# KiCad board chc-panel-1.0.kicad_pcb (continued)
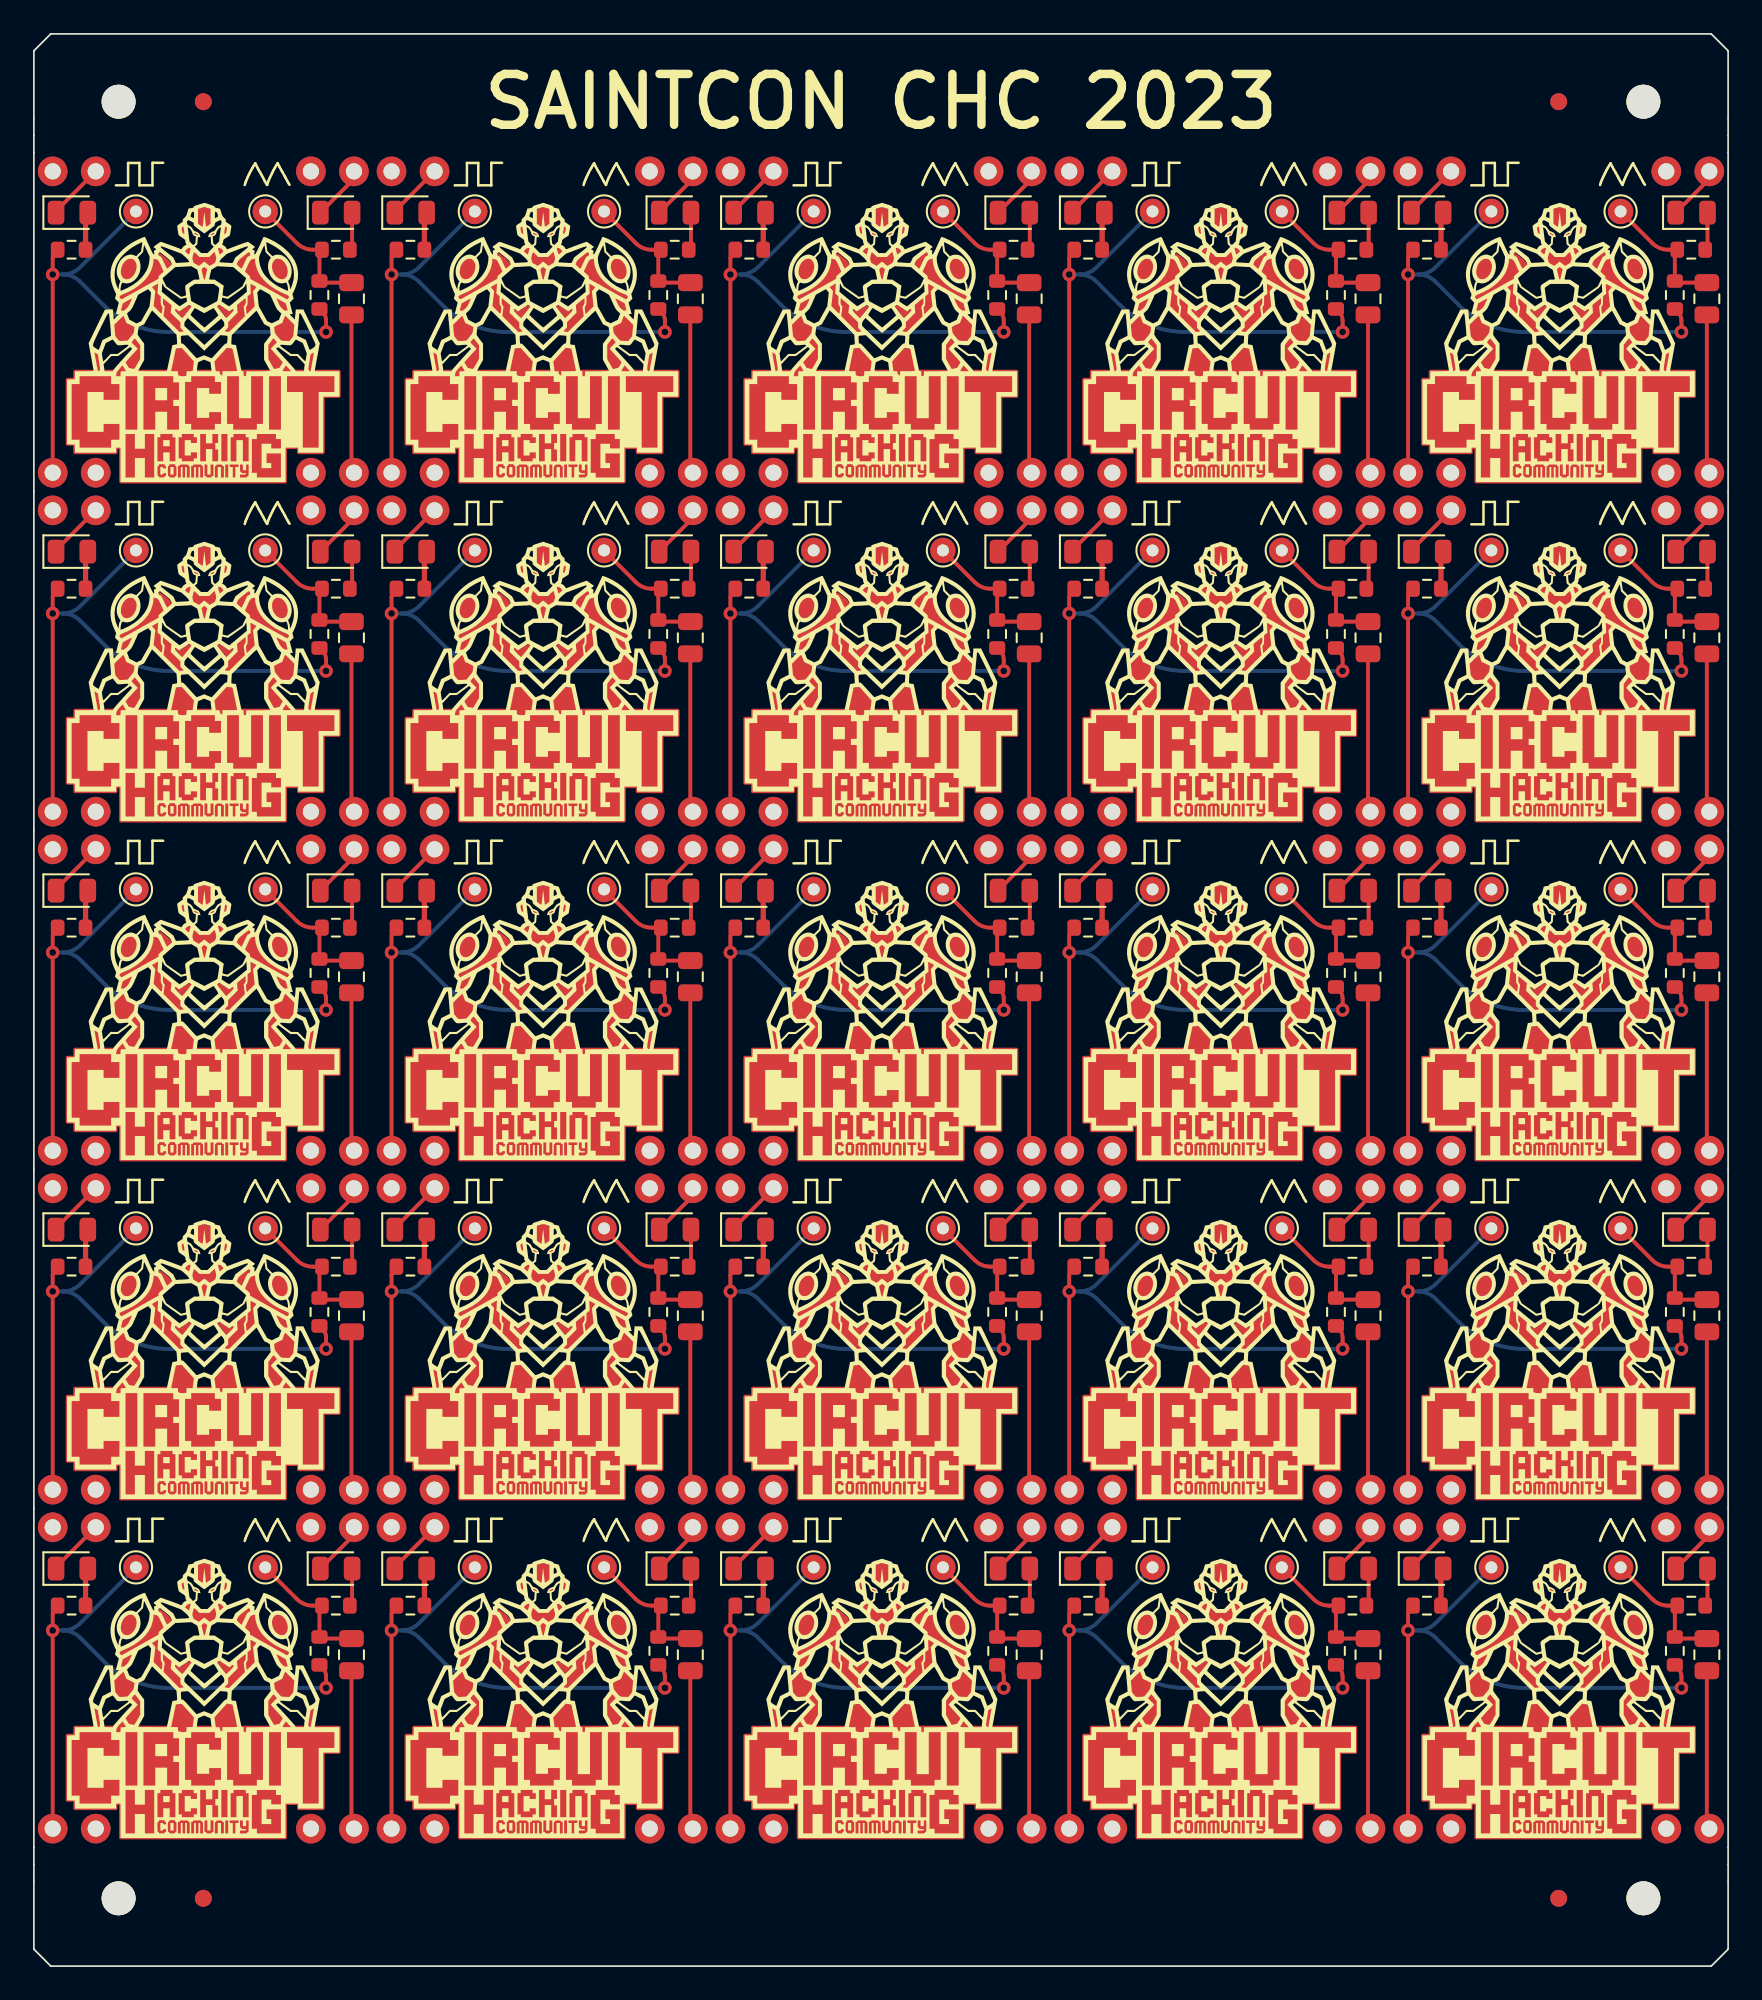
[diagram p0: board, top side]
## Library data of the parts
C1-0-C1-24 = -: Description: Unpolarized capacitor
D1-0-D1-24 D2-0-D2-24 = -: Description: Light emitting diode
MB1-0 = -: Field4: NC; Field5: GND; Field6: VBATT; Field7: +3V3; Field8: 3V3+; Field9: CLK; Field10: GND; Field11: GND
MB1-1 = -: Field4: GND; Field5: GND; Field6: +3V3; Field7: GND; Field8: VBATT; Field9: 3V3+; Field10: CLK; Field11: NC
MB1-2 = -: Field4: GND; Field5: NC; Field6: +3V3; Field7: 3V3+; Field8: CLK; Field9: GND; Field10: VBATT; Field11: GND
MB1-3 = -: Field4: GND; Field5: GND; Field6: NC; Field7: GND; Field8: 3V3+; Field9: CLK; Field10: +3V3; Field11: VBATT
MB1-4 = -: Field4: +3V3; Field5: VBATT; Field6: GND; Field7: GND; Field8: CLK; Field9: 3V3+; Field10: GND; Field11: NC
MB1-5 = -: Field4: +3V3; Field5: GND; Field6: CLK; Field7: VBATT; Field8: GND; Field9: NC; Field10: GND; Field11: 3V3+
MB1-6 = -: Field4: GND; Field5: +3V3; Field6: 3V3+; Field7: GND; Field8: NC; Field9: VBATT; Field10: GND; Field11: CLK
MB1-7 MB1-24 = -: Field4: 3V3+; Field5: NC; Field6: +3V3; Field7: GND; Field8: GND; Field9: GND; Field10: VBATT; Field11: CLK
MB1-8 = -: Field4: CLK; Field5: VBATT; Field6: +3V3; Field7: GND; Field8: NC; Field9: GND; Field10: GND; Field11: 3V3+
MB1-9 = -: Field4: NC; Field5: GND; Field6: 3V3+; Field7: GND; Field8: +3V3; Field9: CLK; Field10: GND; Field11: VBATT
MB1-10 = -: Field4: GND; Field5: 3V3+; Field6: VBATT; Field7: NC; Field8: GND; Field9: +3V3; Field10: GND; Field11: CLK
MB1-11 = -: Field4: NC; Field5: GND; Field6: CLK; Field7: VBATT; Field8: GND; Field9: GND; Field10: +3V3; Field11: 3V3+
MB1-12 = -: Field4: GND; Field5: 3V3+; Field6: NC; Field7: GND; Field8: +3V3; Field9: VBATT; Field10: CLK; Field11: GND
MB1-13 = -: Field4: VBATT; Field5: GND; Field6: GND; Field7: CLK; Field8: GND; Field9: +3V3; Field10: 3V3+; Field11: NC
MB1-14 = -: Field4: VBATT; Field5: GND; Field6: NC; Field7: GND; Field8: 3V3+; Field9: GND; Field10: +3V3; Field11: CLK
MB1-15 = -: Field4: VBATT; Field5: NC; Field6: GND; Field7: CLK; Field8: +3V3; Field9: GND; Field10: 3V3+; Field11: GND
MB1-16 = -: Field4: NC; Field5: GND; Field6: +3V3; Field7: CLK; Field8: 3V3+; Field9: GND; Field10: GND; Field11: VBATT
MB1-17 = -: Field4: GND; Field5: VBATT; Field6: +3V3; Field7: GND; Field8: CLK; Field9: 3V3+; Field10: GND; Field11: NC
MB1-18 = -: Field4: +3V3; Field5: CLK; Field6: NC; Field7: GND; Field8: 3V3+; Field9: GND; Field10: GND; Field11: VBATT
MB1-19 = -: Field4: +3V3; Field5: GND; Field6: GND; Field7: VBATT; Field8: GND; Field9: 3V3+; Field10: NC; Field11: CLK
MB1-20 = -: Field4: +3V3; Field5: NC; Field6: GND; Field7: 3V3+; Field8: GND; Field9: VBATT; Field10: CLK; Field11: GND
MB1-21 = -: Field4: +3V3; Field5: 3V3+; Field6: GND; Field7: GND; Field8: NC; Field9: GND; Field10: VBATT; Field11: CLK
MB1-22 = -: Field4: 3V3+; Field5: CLK; Field6: GND; Field7: NC; Field8: GND; Field9: +3V3; Field10: GND; Field11: VBATT
MB1-23 = -: Field4: VBATT; Field5: GND; Field6: CLK; Field7: 3V3+; Field8: GND; Field9: +3V3; Field10: GND; Field11: NC
R1-0-R1-24 R2-0-R2-24 R3-0-R3-24 = -: Description: Resistor
TP1-0-TP1-24 TP2-0-TP2-24 = -: Description: test point

## Footprints (pads in the part's own frame, mm; a bottom-side part is the same pattern mirrored in y, then rotated)
C_0805_2012Metric
  rrect 1x1.45 smd: 1(-0.95,0) 2(0.95,0)
Fiducial
  round 1 smd: (0,0)
LED_0805_2012Metric
  rrect 0.975x1.4 smd: 1(-0.938,0) 2(0.938,0)
MiniBadge_Simple
  round 1.75 hole 0.95: 1(1.27,-1.27) 2(3.81,-1.27) 7(16.51,-1.27) 8(19.05,-1.27) 9(1.27,-19.05) 10(3.81,-19.05) 15(16.51,-19.05) 16(19.05,-19.05)
NPTH
  round 2 hole 2 unplated: (0,0)
R_0603_1608Metric
  rrect 0.8x0.95 smd: 1(-0.825,0) 2(0.825,0)
TestPoint_THTPad_D1.5mm_Drill0.7mm
  round 1.5 hole 0.7: 1(0,0)

## Nets
Board_0-GND: C1-0.2 D1-0.1 D2-0.1 MB1-0.2 MB1-0.8 MB1-0.16
Board_0-Net-(C1-Pad1): C1-0.1 R2-0.1 R3-0.2 TP2-0.1
Board_0-Net-(D1-A): D1-0.2 R1-0.1
Board_0-Net-(D2-A): D2-0.2 R3-0.1
Board_0-Net-(MB1-CLK): MB1-0.9 R1-0.2 R2-0.2 TP1-0.1
Board_0-unconnected-(MB1-3V3+-Pad15): MB1-0.15
Board_0-unconnected-(MB1-+3V3-Pad7): MB1-0.7
Board_0-unconnected-(MB1-+VBATT-Pad1): MB1-0.1
Board_0-unconnected-(MB1-NC-Pad10): MB1-0.10
Board_1-GND: C1-1.2 D1-1.1 D2-1.1 MB1-1.2 MB1-1.8 MB1-1.16
Board_1-Net-(C1-Pad1): C1-1.1 R2-1.1 R3-1.2 TP2-1.1
Board_1-Net-(D1-A): D1-1.2 R1-1.1
Board_1-Net-(D2-A): D2-1.2 R3-1.1
Board_1-Net-(MB1-CLK): MB1-1.9 R1-1.2 R2-1.2 TP1-1.1
Board_1-unconnected-(MB1-3V3+-Pad15): MB1-1.15
Board_1-unconnected-(MB1-+3V3-Pad7): MB1-1.7
Board_1-unconnected-(MB1-+VBATT-Pad1): MB1-1.1
Board_1-unconnected-(MB1-NC-Pad10): MB1-1.10
Board_2-GND: C1-2.2 D1-2.1 D2-2.1 MB1-2.2 MB1-2.8 MB1-2.16
Board_2-Net-(C1-Pad1): C1-2.1 R2-2.1 R3-2.2 TP2-2.1
Board_2-Net-(D1-A): D1-2.2 R1-2.1
Board_2-Net-(D2-A): D2-2.2 R3-2.1
Board_2-Net-(MB1-CLK): MB1-2.9 R1-2.2 R2-2.2 TP1-2.1
Board_2-unconnected-(MB1-3V3+-Pad15): MB1-2.15
Board_2-unconnected-(MB1-+3V3-Pad7): MB1-2.7
Board_2-unconnected-(MB1-+VBATT-Pad1): MB1-2.1
Board_2-unconnected-(MB1-NC-Pad10): MB1-2.10
Board_3-GND: C1-3.2 D1-3.1 D2-3.1 MB1-3.2 MB1-3.8 MB1-3.16
Board_3-Net-(C1-Pad1): C1-3.1 R2-3.1 R3-3.2 TP2-3.1
Board_3-Net-(D1-A): D1-3.2 R1-3.1
Board_3-Net-(D2-A): D2-3.2 R3-3.1
Board_3-Net-(MB1-CLK): MB1-3.9 R1-3.2 R2-3.2 TP1-3.1
Board_3-unconnected-(MB1-3V3+-Pad15): MB1-3.15
Board_3-unconnected-(MB1-+3V3-Pad7): MB1-3.7
Board_3-unconnected-(MB1-+VBATT-Pad1): MB1-3.1
Board_3-unconnected-(MB1-NC-Pad10): MB1-3.10
Board_4-GND: C1-4.2 D1-4.1 D2-4.1 MB1-4.2 MB1-4.8 MB1-4.16
Board_4-Net-(C1-Pad1): C1-4.1 R2-4.1 R3-4.2 TP2-4.1
Board_4-Net-(D1-A): D1-4.2 R1-4.1
Board_4-Net-(D2-A): D2-4.2 R3-4.1
Board_4-Net-(MB1-CLK): MB1-4.9 R1-4.2 R2-4.2 TP1-4.1
Board_4-unconnected-(MB1-3V3+-Pad15): MB1-4.15
Board_4-unconnected-(MB1-+3V3-Pad7): MB1-4.7
Board_4-unconnected-(MB1-+VBATT-Pad1): MB1-4.1
Board_4-unconnected-(MB1-NC-Pad10): MB1-4.10
Board_5-GND: C1-5.2 D1-5.1 D2-5.1 MB1-5.2 MB1-5.8 MB1-5.16
Board_5-Net-(C1-Pad1): C1-5.1 R2-5.1 R3-5.2 TP2-5.1
Board_5-Net-(D1-A): D1-5.2 R1-5.1
Board_5-Net-(D2-A): D2-5.2 R3-5.1
Board_5-Net-(MB1-CLK): MB1-5.9 R1-5.2 R2-5.2 TP1-5.1
Board_5-unconnected-(MB1-3V3+-Pad15): MB1-5.15
Board_5-unconnected-(MB1-+3V3-Pad7): MB1-5.7
Board_5-unconnected-(MB1-+VBATT-Pad1): MB1-5.1
Board_5-unconnected-(MB1-NC-Pad10): MB1-5.10
Board_6-GND: C1-6.2 D1-6.1 D2-6.1 MB1-6.2 MB1-6.8 MB1-6.16
Board_6-Net-(C1-Pad1): C1-6.1 R2-6.1 R3-6.2 TP2-6.1
Board_6-Net-(D1-A): D1-6.2 R1-6.1
Board_6-Net-(D2-A): D2-6.2 R3-6.1
Board_6-Net-(MB1-CLK): MB1-6.9 R1-6.2 R2-6.2 TP1-6.1
Board_6-unconnected-(MB1-3V3+-Pad15): MB1-6.15
Board_6-unconnected-(MB1-+3V3-Pad7): MB1-6.7
Board_6-unconnected-(MB1-+VBATT-Pad1): MB1-6.1
Board_6-unconnected-(MB1-NC-Pad10): MB1-6.10
Board_7-GND: C1-7.2 D1-7.1 D2-7.1 MB1-7.2 MB1-7.8 MB1-7.16
Board_7-Net-(C1-Pad1): C1-7.1 R2-7.1 R3-7.2 TP2-7.1
Board_7-Net-(D1-A): D1-7.2 R1-7.1
Board_7-Net-(D2-A): D2-7.2 R3-7.1
Board_7-Net-(MB1-CLK): MB1-7.9 R1-7.2 R2-7.2 TP1-7.1
Board_7-unconnected-(MB1-3V3+-Pad15): MB1-7.15
Board_7-unconnected-(MB1-+3V3-Pad7): MB1-7.7
Board_7-unconnected-(MB1-+VBATT-Pad1): MB1-7.1
Board_7-unconnected-(MB1-NC-Pad10): MB1-7.10
Board_8-GND: C1-8.2 D1-8.1 D2-8.1 MB1-8.2 MB1-8.8 MB1-8.16
Board_8-Net-(C1-Pad1): C1-8.1 R2-8.1 R3-8.2 TP2-8.1
Board_8-Net-(D1-A): D1-8.2 R1-8.1
Board_8-Net-(D2-A): D2-8.2 R3-8.1
Board_8-Net-(MB1-CLK): MB1-8.9 R1-8.2 R2-8.2 TP1-8.1
Board_8-unconnected-(MB1-3V3+-Pad15): MB1-8.15
Board_8-unconnected-(MB1-+3V3-Pad7): MB1-8.7
Board_8-unconnected-(MB1-+VBATT-Pad1): MB1-8.1
Board_8-unconnected-(MB1-NC-Pad10): MB1-8.10
Board_9-GND: C1-9.2 D1-9.1 D2-9.1 MB1-9.2 MB1-9.8 MB1-9.16
Board_9-Net-(C1-Pad1): C1-9.1 R2-9.1 R3-9.2 TP2-9.1
Board_9-Net-(D1-A): D1-9.2 R1-9.1
Board_9-Net-(D2-A): D2-9.2 R3-9.1
Board_9-Net-(MB1-CLK): MB1-9.9 R1-9.2 R2-9.2 TP1-9.1
Board_9-unconnected-(MB1-3V3+-Pad15): MB1-9.15
Board_9-unconnected-(MB1-+3V3-Pad7): MB1-9.7
Board_9-unconnected-(MB1-+VBATT-Pad1): MB1-9.1
Board_9-unconnected-(MB1-NC-Pad10): MB1-9.10
Board_10-GND: C1-10.2 D1-10.1 D2-10.1 MB1-10.2 MB1-10.8 MB1-10.16
Board_10-Net-(C1-Pad1): C1-10.1 R2-10.1 R3-10.2 TP2-10.1
Board_10-Net-(D1-A): D1-10.2 R1-10.1
Board_10-Net-(D2-A): D2-10.2 R3-10.1
Board_10-Net-(MB1-CLK): MB1-10.9 R1-10.2 R2-10.2 TP1-10.1
Board_10-unconnected-(MB1-3V3+-Pad15): MB1-10.15
Board_10-unconnected-(MB1-+3V3-Pad7): MB1-10.7
Board_10-unconnected-(MB1-+VBATT-Pad1): MB1-10.1
Board_10-unconnected-(MB1-NC-Pad10): MB1-10.10
Board_11-GND: C1-11.2 D1-11.1 D2-11.1 MB1-11.2 MB1-11.8 MB1-11.16
Board_11-Net-(C1-Pad1): C1-11.1 R2-11.1 R3-11.2 TP2-11.1
Board_11-Net-(D1-A): D1-11.2 R1-11.1
Board_11-Net-(D2-A): D2-11.2 R3-11.1
Board_11-Net-(MB1-CLK): MB1-11.9 R1-11.2 R2-11.2 TP1-11.1
Board_11-unconnected-(MB1-3V3+-Pad15): MB1-11.15
Board_11-unconnected-(MB1-+3V3-Pad7): MB1-11.7
Board_11-unconnected-(MB1-+VBATT-Pad1): MB1-11.1
Board_11-unconnected-(MB1-NC-Pad10): MB1-11.10
Board_12-GND: C1-12.2 D1-12.1 D2-12.1 MB1-12.2 MB1-12.8 MB1-12.16
Board_12-Net-(C1-Pad1): C1-12.1 R2-12.1 R3-12.2 TP2-12.1
Board_12-Net-(D1-A): D1-12.2 R1-12.1
Board_12-Net-(D2-A): D2-12.2 R3-12.1
Board_12-Net-(MB1-CLK): MB1-12.9 R1-12.2 R2-12.2 TP1-12.1
Board_12-unconnected-(MB1-3V3+-Pad15): MB1-12.15
Board_12-unconnected-(MB1-+3V3-Pad7): MB1-12.7
Board_12-unconnected-(MB1-+VBATT-Pad1): MB1-12.1
Board_12-unconnected-(MB1-NC-Pad10): MB1-12.10
Board_13-GND: C1-13.2 D1-13.1 D2-13.1 MB1-13.2 MB1-13.8 MB1-13.16
Board_13-Net-(C1-Pad1): C1-13.1 R2-13.1 R3-13.2 TP2-13.1
Board_13-Net-(D1-A): D1-13.2 R1-13.1
Board_13-Net-(D2-A): D2-13.2 R3-13.1
Board_13-Net-(MB1-CLK): MB1-13.9 R1-13.2 R2-13.2 TP1-13.1
Board_13-unconnected-(MB1-3V3+-Pad15): MB1-13.15
Board_13-unconnected-(MB1-+3V3-Pad7): MB1-13.7
Board_13-unconnected-(MB1-+VBATT-Pad1): MB1-13.1
Board_13-unconnected-(MB1-NC-Pad10): MB1-13.10
Board_14-GND: C1-14.2 D1-14.1 D2-14.1 MB1-14.2 MB1-14.8 MB1-14.16
Board_14-Net-(C1-Pad1): C1-14.1 R2-14.1 R3-14.2 TP2-14.1
Board_14-Net-(D1-A): D1-14.2 R1-14.1
Board_14-Net-(D2-A): D2-14.2 R3-14.1
Board_14-Net-(MB1-CLK): MB1-14.9 R1-14.2 R2-14.2 TP1-14.1
Board_14-unconnected-(MB1-3V3+-Pad15): MB1-14.15
Board_14-unconnected-(MB1-+3V3-Pad7): MB1-14.7
Board_14-unconnected-(MB1-+VBATT-Pad1): MB1-14.1
Board_14-unconnected-(MB1-NC-Pad10): MB1-14.10
Board_15-GND: C1-15.2 D1-15.1 D2-15.1 MB1-15.2 MB1-15.8 MB1-15.16
Board_15-Net-(C1-Pad1): C1-15.1 R2-15.1 R3-15.2 TP2-15.1
Board_15-Net-(D1-A): D1-15.2 R1-15.1
Board_15-Net-(D2-A): D2-15.2 R3-15.1
Board_15-Net-(MB1-CLK): MB1-15.9 R1-15.2 R2-15.2 TP1-15.1
Board_15-unconnected-(MB1-3V3+-Pad15): MB1-15.15
Board_15-unconnected-(MB1-+3V3-Pad7): MB1-15.7
Board_15-unconnected-(MB1-+VBATT-Pad1): MB1-15.1
Board_15-unconnected-(MB1-NC-Pad10): MB1-15.10
Board_16-GND: C1-16.2 D1-16.1 D2-16.1 MB1-16.2 MB1-16.8 MB1-16.16
Board_16-Net-(C1-Pad1): C1-16.1 R2-16.1 R3-16.2 TP2-16.1
Board_16-Net-(D1-A): D1-16.2 R1-16.1
Board_16-Net-(D2-A): D2-16.2 R3-16.1
Board_16-Net-(MB1-CLK): MB1-16.9 R1-16.2 R2-16.2 TP1-16.1
Board_16-unconnected-(MB1-3V3+-Pad15): MB1-16.15
Board_16-unconnected-(MB1-+3V3-Pad7): MB1-16.7
Board_16-unconnected-(MB1-+VBATT-Pad1): MB1-16.1
Board_16-unconnected-(MB1-NC-Pad10): MB1-16.10
Board_17-GND: C1-17.2 D1-17.1 D2-17.1 MB1-17.2 MB1-17.8 MB1-17.16
Board_17-Net-(C1-Pad1): C1-17.1 R2-17.1 R3-17.2 TP2-17.1
Board_17-Net-(D1-A): D1-17.2 R1-17.1
Board_17-Net-(D2-A): D2-17.2 R3-17.1
Board_17-Net-(MB1-CLK): MB1-17.9 R1-17.2 R2-17.2 TP1-17.1
Board_17-unconnected-(MB1-3V3+-Pad15): MB1-17.15
Board_17-unconnected-(MB1-+3V3-Pad7): MB1-17.7
Board_17-unconnected-(MB1-+VBATT-Pad1): MB1-17.1
Board_17-unconnected-(MB1-NC-Pad10): MB1-17.10
Board_18-GND: C1-18.2 D1-18.1 D2-18.1 MB1-18.2 MB1-18.8 MB1-18.16
Board_18-Net-(C1-Pad1): C1-18.1 R2-18.1 R3-18.2 TP2-18.1
Board_18-Net-(D1-A): D1-18.2 R1-18.1
Board_18-Net-(D2-A): D2-18.2 R3-18.1
Board_18-Net-(MB1-CLK): MB1-18.9 R1-18.2 R2-18.2 TP1-18.1
Board_18-unconnected-(MB1-3V3+-Pad15): MB1-18.15
Board_18-unconnected-(MB1-+3V3-Pad7): MB1-18.7
Board_18-unconnected-(MB1-+VBATT-Pad1): MB1-18.1
Board_18-unconnected-(MB1-NC-Pad10): MB1-18.10
Board_19-GND: C1-19.2 D1-19.1 D2-19.1 MB1-19.2 MB1-19.8 MB1-19.16
Board_19-Net-(C1-Pad1): C1-19.1 R2-19.1 R3-19.2 TP2-19.1
Board_19-Net-(D1-A): D1-19.2 R1-19.1
Board_19-Net-(D2-A): D2-19.2 R3-19.1
Board_19-Net-(MB1-CLK): MB1-19.9 R1-19.2 R2-19.2 TP1-19.1
Board_19-unconnected-(MB1-3V3+-Pad15): MB1-19.15
Board_19-unconnected-(MB1-+3V3-Pad7): MB1-19.7
Board_19-unconnected-(MB1-+VBATT-Pad1): MB1-19.1
Board_19-unconnected-(MB1-NC-Pad10): MB1-19.10
Board_20-GND: C1-20.2 D1-20.1 D2-20.1 MB1-20.2 MB1-20.8 MB1-20.16
Board_20-Net-(C1-Pad1): C1-20.1 R2-20.1 R3-20.2 TP2-20.1
Board_20-Net-(D1-A): D1-20.2 R1-20.1
Board_20-Net-(D2-A): D2-20.2 R3-20.1
Board_20-Net-(MB1-CLK): MB1-20.9 R1-20.2 R2-20.2 TP1-20.1
Board_20-unconnected-(MB1-3V3+-Pad15): MB1-20.15
Board_20-unconnected-(MB1-+3V3-Pad7): MB1-20.7
Board_20-unconnected-(MB1-+VBATT-Pad1): MB1-20.1
Board_20-unconnected-(MB1-NC-Pad10): MB1-20.10
Board_21-GND: C1-21.2 D1-21.1 D2-21.1 MB1-21.2 MB1-21.8 MB1-21.16
Board_21-Net-(C1-Pad1): C1-21.1 R2-21.1 R3-21.2 TP2-21.1
Board_21-Net-(D1-A): D1-21.2 R1-21.1
Board_21-Net-(D2-A): D2-21.2 R3-21.1
Board_21-Net-(MB1-CLK): MB1-21.9 R1-21.2 R2-21.2 TP1-21.1
Board_21-unconnected-(MB1-3V3+-Pad15): MB1-21.15
Board_21-unconnected-(MB1-+3V3-Pad7): MB1-21.7
Board_21-unconnected-(MB1-+VBATT-Pad1): MB1-21.1
Board_21-unconnected-(MB1-NC-Pad10): MB1-21.10
Board_22-GND: C1-22.2 D1-22.1 D2-22.1 MB1-22.2 MB1-22.8 MB1-22.16
Board_22-Net-(C1-Pad1): C1-22.1 R2-22.1 R3-22.2 TP2-22.1
Board_22-Net-(D1-A): D1-22.2 R1-22.1
Board_22-Net-(D2-A): D2-22.2 R3-22.1
Board_22-Net-(MB1-CLK): MB1-22.9 R1-22.2 R2-22.2 TP1-22.1
Board_22-unconnected-(MB1-3V3+-Pad15): MB1-22.15
Board_22-unconnected-(MB1-+3V3-Pad7): MB1-22.7
Board_22-unconnected-(MB1-+VBATT-Pad1): MB1-22.1
Board_22-unconnected-(MB1-NC-Pad10): MB1-22.10
Board_23-GND: C1-23.2 D1-23.1 D2-23.1 MB1-23.2 MB1-23.8 MB1-23.16
Board_23-Net-(C1-Pad1): C1-23.1 R2-23.1 R3-23.2 TP2-23.1
Board_23-Net-(D1-A): D1-23.2 R1-23.1
Board_23-Net-(D2-A): D2-23.2 R3-23.1
Board_23-Net-(MB1-CLK): MB1-23.9 R1-23.2 R2-23.2 TP1-23.1
Board_23-unconnected-(MB1-3V3+-Pad15): MB1-23.15
Board_23-unconnected-(MB1-+3V3-Pad7): MB1-23.7
Board_23-unconnected-(MB1-+VBATT-Pad1): MB1-23.1
Board_23-unconnected-(MB1-NC-Pad10): MB1-23.10
Board_24-GND: C1-24.2 D1-24.1 D2-24.1 MB1-24.2 MB1-24.8 MB1-24.16
Board_24-Net-(C1-Pad1): C1-24.1 R2-24.1 R3-24.2 TP2-24.1
Board_24-Net-(D1-A): D1-24.2 R1-24.1
Board_24-Net-(D2-A): D2-24.2 R3-24.1
Board_24-Net-(MB1-CLK): MB1-24.9 R1-24.2 R2-24.2 TP1-24.1
Board_24-unconnected-(MB1-3V3+-Pad15): MB1-24.15
Board_24-unconnected-(MB1-+3V3-Pad7): MB1-24.7
Board_24-unconnected-(MB1-+VBATT-Pad1): MB1-24.1
Board_24-unconnected-(MB1-NC-Pad10): MB1-24.10

## Via types
v1: diameter 0.8, hole 0.4, Top to Bottom, 50 vias

## Routing (per net, layer and track width the routed paths; a pad name or vN(x,y) marks a point on that pad's centre or on a via; arc(x,y) is an arc through that point)
Board_0-GND: length 16
  Top w0.229: C1-0.2 18.74,88.36 arc(18.76,88.26) 18.82,88.18 MB1-0.16 ; D2-0.1 18.73,105.28 arc(18.85,105.45) 18.89,105.66 MB1-0.8 ; D1-0.1 1.31,103.5 arc(1.32,103.54) 1.34,103.58 MB1-0.2
Board_0-Net-(C1-Pad1): length 7.9
  Top w0.229: TP2-0.1 15.53,101.65 arc(15.95,101.37) 16.46,101.27 16.9,101.27 arc(16.94,101.24) 16.93,101.19 arc(16.87,101.11) 16.86,101.02 16.86,99.49 arc(16.87,99.43) 16.9,99.37 arc(16.96,99.34) 17.02,99.33 C1-0.1
Board_0-Net-(D1-A): length 2.2
  Top w0.305: R1-0.1 3.05,103.23 arc(3.07,103.32) 3.12,103.39 D1-0.2
Board_0-Net-(D2-A): length 2.2
  Top w0.229: D2-0.2 18.78,101.49 arc(18.77,101.41) 18.72,101.33 R3-0.1
Board_0-Net-(MB1-CLK): length 37.8
  Top w0.229: v1(17.24,96.41) 17.24,97.1 arc(17.19,97.36) 17.05,97.58 R2-0.2 ; MB1-0.9 1.11,100.77 arc(1.15,100.96) 1.25,101.12 R1-0.2
  Bottom w0.229: v1(17.24,96.41) 7.95,96.41 arc(5.87,96.83) 4.1,98.01 2.73,99.38 arc(2.26,99.7) 1.71,99.81 ; TP1-0.1 2.73,100.23 arc(2.26,99.91) 1.71,99.81 ; 1.71,99.81 v1(1.11,99.81)
Board_1-GND: length 16
  Top w0.229: MB1-1.2 21.34,103.58 arc(21.32,103.54) 21.31,103.5 D1-1.1 ; MB1-1.16 38.82,88.18 arc(38.76,88.26) 38.74,88.36 C1-1.2 ; MB1-1.8 38.89,105.66 arc(38.85,105.45) 38.73,105.28 D2-1.1
Board_1-Net-(C1-Pad1): length 7.9
  Top w0.229: C1-1.1 37.02,99.33 arc(36.96,99.34) 36.9,99.37 arc(36.87,99.43) 36.86,99.49 36.86,101.02 arc(36.87,101.11) 36.93,101.19 arc(36.94,101.24) 36.9,101.27 36.46,101.27 arc(35.95,101.37) 35.53,101.65 TP2-1.1
Board_1-Net-(D1-A): length 2.2
  Top w0.305: D1-1.2 23.12,103.39 arc(23.07,103.32) 23.05,103.23 R1-1.1
Board_1-Net-(D2-A): length 2.2
  Top w0.229: D2-1.2 38.78,101.49 arc(38.77,101.41) 38.72,101.33 R3-1.1
Board_1-Net-(MB1-CLK): length 37.8
  Top w0.229: MB1-1.9 21.11,100.77 arc(21.15,100.96) 21.25,101.12 R1-1.2 ; R2-1.2 37.05,97.58 arc(37.19,97.36) 37.24,97.1 v1(37.24,96.41)
  Bottom w0.229: TP1-1.1 22.73,100.23 arc(22.26,99.91) 21.71,99.81 ; v1(37.24,96.41) 27.95,96.41 arc(25.87,96.83) 24.1,98.01 22.73,99.38 arc(22.26,99.7) 21.71,99.81 ; 21.71,99.81 v1(21.11,99.81)
Board_2-GND: length 16
  Top w0.229: MB1-2.8 58.89,105.66 arc(58.85,105.45) 58.73,105.28 D2-2.1 ; MB1-2.2 41.34,103.58 arc(41.32,103.54) 41.31,103.5 D1-2.1 ; C1-2.2 58.74,88.36 arc(58.76,88.26) 58.82,88.18 MB1-2.16
Board_2-Net-(C1-Pad1): length 7.9
  Top w0.229: C1-2.1 57.02,99.33 arc(56.96,99.34) 56.9,99.37 arc(56.87,99.43) 56.86,99.49 56.86,101.02 arc(56.87,101.11) 56.93,101.19 arc(56.94,101.24) 56.9,101.27 56.46,101.27 arc(55.95,101.37) 55.53,101.65 TP2-2.1
Board_2-Net-(D1-A): length 2.2
  Top w0.305: D1-2.2 43.12,103.39 arc(43.07,103.32) 43.05,103.23 R1-2.1
Board_2-Net-(D2-A): length 2.2
  Top w0.229: R3-2.1 58.72,101.33 arc(58.77,101.41) 58.78,101.49 D2-2.2
Board_2-Net-(MB1-CLK): length 37.8
  Top w0.229: MB1-2.9 41.11,100.77 arc(41.15,100.96) 41.26,101.12 R1-2.2 ; v1(57.24,96.41) 57.24,97.1 arc(57.19,97.36) 57.05,97.58 R2-2.2
  Bottom w0.229: TP1-2.1 42.73,100.23 arc(42.26,99.91) 41.71,99.81 ; v1(57.24,96.41) 47.95,96.41 arc(45.87,96.83) 44.1,98.01 42.73,99.38 arc(42.26,99.7) 41.71,99.81 ; 41.71,99.81 v1(41.11,99.81)
Board_3-GND: length 16
  Top w0.229: C1-3.2 78.74,88.36 arc(78.76,88.26) 78.82,88.18 MB1-3.16 ; MB1-3.2 61.34,103.58 arc(61.32,103.54) 61.31,103.5 D1-3.1 ; D2-3.1 78.73,105.28 arc(78.85,105.45) 78.89,105.66 MB1-3.8
Board_3-Net-(C1-Pad1): length 7.9
  Top w0.229: TP2-3.1 75.53,101.65 arc(75.95,101.37) 76.46,101.27 76.9,101.27 arc(76.94,101.24) 76.93,101.19 arc(76.87,101.11) 76.86,101.02 76.86,99.49 arc(76.87,99.43) 76.9,99.37 arc(76.96,99.34) 77.02,99.33 C1-3.1
Board_3-Net-(D1-A): length 2.2
  Top w0.305: R1-3.1 63.05,103.23 arc(63.07,103.32) 63.12,103.39 D1-3.2
Board_3-Net-(D2-A): length 2.2
  Top w0.229: D2-3.2 78.78,101.49 arc(78.77,101.41) 78.72,101.33 R3-3.1
Board_3-Net-(MB1-CLK): length 37.8
  Top w0.229: v1(77.24,96.41) 77.24,97.1 arc(77.19,97.36) 77.05,97.58 R2-3.2 ; R1-3.2 61.26,101.12 arc(61.15,100.96) 61.11,100.77 MB1-3.9
  Bottom w0.229: TP1-3.1 62.73,100.23 arc(62.26,99.91) 61.71,99.81 ; v1(77.24,96.41) 67.95,96.41 arc(65.87,96.83) 64.1,98.01 62.73,99.38 arc(62.26,99.7) 61.71,99.81 ; 61.71,99.81 v1(61.11,99.81)
Board_4-GND: length 16
  Top w0.229: D2-4.1 98.73,105.28 arc(98.85,105.45) 98.89,105.66 MB1-4.8 ; D1-4.1 81.31,103.5 arc(81.32,103.54) 81.34,103.58 MB1-4.2 ; MB1-4.16 98.82,88.18 arc(98.76,88.26) 98.74,88.36 C1-4.2
Board_4-Net-(C1-Pad1): length 7.9
  Top w0.229: C1-4.1 97.02,99.33 arc(96.96,99.34) 96.9,99.37 arc(96.87,99.43) 96.86,99.49 96.86,101.02 arc(96.87,101.11) 96.93,101.19 arc(96.94,101.24) 96.9,101.27 96.46,101.27 arc(95.95,101.37) 95.53,101.65 TP2-4.1
Board_4-Net-(D1-A): length 2.2
  Top w0.305: R1-4.1 83.05,103.23 arc(83.07,103.32) 83.12,103.39 D1-4.2
Board_4-Net-(D2-A): length 2.2
  Top w0.229: D2-4.2 98.78,101.49 arc(98.77,101.41) 98.72,101.33 R3-4.1
Board_4-Net-(MB1-CLK): length 37.8
  Top w0.229: R1-4.2 81.26,101.12 arc(81.15,100.96) 81.11,100.77 MB1-4.9 ; v1(97.24,96.41) 97.24,97.1 arc(97.19,97.36) 97.05,97.58 R2-4.2
  Bottom w0.229: TP1-4.1 82.73,100.23 arc(82.26,99.91) 81.71,99.81 ; 81.71,99.81 v1(81.11,99.81) ; 81.71,99.81 arc(82.26,99.7) 82.73,99.38 84.1,98.01 arc(85.87,96.83) 87.95,96.41 v1(97.24,96.41)
Board_5-GND: length 16
  Top w0.229: D1-5.1 1.31,83.5 arc(1.32,83.54) 1.34,83.58 MB1-5.2 ; MB1-5.8 18.89,85.66 arc(18.85,85.45) 18.73,85.28 D2-5.1 ; MB1-5.16 18.82,68.18 arc(18.76,68.26) 18.74,68.36 C1-5.2
Board_5-Net-(C1-Pad1): length 7.9
  Top w0.229: C1-5.1 17.02,79.33 arc(16.96,79.34) 16.9,79.37 arc(16.87,79.43) 16.86,79.49 16.86,81.02 arc(16.87,81.11) 16.93,81.19 arc(16.94,81.24) 16.9,81.27 16.46,81.27 arc(15.95,81.37) 15.53,81.65 TP2-5.1
Board_5-Net-(D1-A): length 2.2
  Top w0.305: D1-5.2 3.12,83.39 arc(3.07,83.32) 3.05,83.23 R1-5.1
Board_5-Net-(D2-A): length 2.2
  Top w0.229: D2-5.2 18.78,81.49 arc(18.77,81.41) 18.72,81.33 R3-5.1
Board_5-Net-(MB1-CLK): length 37.8
  Top w0.229: MB1-5.9 1.11,80.77 arc(1.15,80.96) 1.25,81.12 R1-5.2 ; R2-5.2 17.05,77.58 arc(17.19,77.36) 17.24,77.1 v1(17.24,76.42)
  Bottom w0.229: TP1-5.1 2.73,80.23 arc(2.26,79.91) 1.71,79.81 ; 1.71,79.81 v1(1.11,79.81) ; 1.71,79.81 arc(2.26,79.7) 2.73,79.38 4.1,78.01 arc(5.87,76.83) 7.95,76.42 v1(17.24,76.42)
Board_6-GND: length 16
  Top w0.229: MB1-6.8 38.89,85.66 arc(38.85,85.45) 38.73,85.28 D2-6.1 ; MB1-6.16 38.82,68.18 arc(38.76,68.26) 38.74,68.36 C1-6.2 ; D1-6.1 21.31,83.5 arc(21.32,83.54) 21.34,83.58 MB1-6.2
Board_6-Net-(C1-Pad1): length 7.9
  Top w0.229: C1-6.1 37.02,79.33 arc(36.96,79.34) 36.9,79.37 arc(36.87,79.43) 36.86,79.49 36.86,81.02 arc(36.87,81.11) 36.93,81.19 arc(36.94,81.24) 36.9,81.27 36.46,81.27 arc(35.95,81.37) 35.53,81.65 TP2-6.1
Board_6-Net-(D1-A): length 2.2
  Top w0.305: D1-6.2 23.12,83.39 arc(23.07,83.32) 23.05,83.23 R1-6.1
Board_6-Net-(D2-A): length 2.2
  Top w0.229: D2-6.2 38.78,81.49 arc(38.77,81.41) 38.72,81.33 R3-6.1
Board_6-Net-(MB1-CLK): length 37.8
  Top w0.229: MB1-6.9 21.11,80.77 arc(21.15,80.96) 21.25,81.12 R1-6.2 ; v1(37.24,76.42) 37.24,77.1 arc(37.19,77.36) 37.05,77.58 R2-6.2
  Bottom w0.229: 21.71,79.81 v1(21.11,79.81) ; 21.71,79.81 arc(22.26,79.91) 22.73,80.23 TP1-6.1 ; 21.71,79.81 arc(22.26,79.7) 22.73,79.38 24.1,78.01 arc(25.87,76.83) 27.95,76.42 v1(37.24,76.42)
Board_7-GND: length 16
  Top w0.229: MB1-7.8 58.89,85.66 arc(58.85,85.45) 58.73,85.28 D2-7.1 ; MB1-7.2 41.34,83.58 arc(41.32,83.54) 41.31,83.5 D1-7.1 ; C1-7.2 58.74,68.36 arc(58.76,68.26) 58.82,68.18 MB1-7.16
Board_7-Net-(C1-Pad1): length 7.9
  Top w0.229: C1-7.1 57.02,79.33 arc(56.96,79.34) 56.9,79.37 arc(56.87,79.43) 56.86,79.49 56.86,81.02 arc(56.87,81.11) 56.93,81.19 arc(56.94,81.24) 56.9,81.27 56.46,81.27 arc(55.95,81.37) 55.53,81.65 TP2-7.1
Board_7-Net-(D1-A): length 2.2
  Top w0.305: R1-7.1 43.05,83.23 arc(43.07,83.32) 43.12,83.39 D1-7.2
Board_7-Net-(D2-A): length 2.2
  Top w0.229: R3-7.1 58.72,81.33 arc(58.77,81.41) 58.78,81.49 D2-7.2
Board_7-Net-(MB1-CLK): length 37.8
  Top w0.229: R2-7.2 57.05,77.58 arc(57.19,77.36) 57.24,77.1 v1(57.24,76.42) ; R1-7.2 41.26,81.12 arc(41.15,80.96) 41.11,80.77 MB1-7.9
  Bottom w0.229: v1(57.24,76.42) 47.95,76.42 arc(45.87,76.83) 44.1,78.01 42.73,79.38 arc(42.26,79.7) 41.71,79.81 ; 41.71,79.81 v1(41.11,79.81) ; 41.71,79.81 arc(42.26,79.91) 42.73,80.23 TP1-7.1
Board_8-GND: length 16
  Top w0.229: D1-8.1 61.31,83.5 arc(61.32,83.54) 61.34,83.58 MB1-8.2 ; D2-8.1 78.73,85.28 arc(78.85,85.45) 78.89,85.66 MB1-8.8 ; MB1-8.16 78.82,68.18 arc(78.76,68.26) 78.74,68.36 C1-8.2
Board_8-Net-(C1-Pad1): length 7.9
  Top w0.229: C1-8.1 77.02,79.33 arc(76.96,79.34) 76.9,79.37 arc(76.87,79.43) 76.86,79.49 76.86,81.02 arc(76.87,81.11) 76.93,81.19 arc(76.94,81.24) 76.9,81.27 76.46,81.27 arc(75.95,81.37) 75.53,81.65 TP2-8.1
Board_8-Net-(D1-A): length 2.2
  Top w0.305: D1-8.2 63.12,83.39 arc(63.07,83.32) 63.05,83.23 R1-8.1
Board_8-Net-(D2-A): length 2.2
  Top w0.229: D2-8.2 78.78,81.49 arc(78.77,81.41) 78.72,81.33 R3-8.1
Board_8-Net-(MB1-CLK): length 37.8
  Top w0.229: R2-8.2 77.05,77.58 arc(77.19,77.36) 77.24,77.1 v1(77.24,76.42) ; R1-8.2 61.26,81.12 arc(61.15,80.96) 61.11,80.77 MB1-8.9
  Bottom w0.229: TP1-8.1 62.73,80.23 arc(62.26,79.91) 61.71,79.81 ; v1(77.24,76.42) 67.95,76.42 arc(65.87,76.83) 64.1,78.01 62.73,79.38 arc(62.26,79.7) 61.71,79.81 ; 61.71,79.81 v1(61.11,79.81)
Board_9-GND: length 16
  Top w0.229: MB1-9.8 98.89,85.66 arc(98.85,85.45) 98.73,85.28 D2-9.1 ; C1-9.2 98.74,68.36 arc(98.76,68.26) 98.82,68.18 MB1-9.16 ; D1-9.1 81.31,83.5 arc(81.32,83.54) 81.34,83.58 MB1-9.2
Board_9-Net-(C1-Pad1): length 7.9
  Top w0.229: TP2-9.1 95.53,81.65 arc(95.95,81.37) 96.46,81.27 96.9,81.27 arc(96.94,81.24) 96.93,81.19 arc(96.87,81.11) 96.86,81.02 96.86,79.49 arc(96.87,79.43) 96.9,79.37 arc(96.96,79.34) 97.02,79.33 C1-9.1
Board_9-Net-(D1-A): length 2.2
  Top w0.305: D1-9.2 83.12,83.39 arc(83.07,83.32) 83.05,83.23 R1-9.1
Board_9-Net-(D2-A): length 2.2
  Top w0.229: D2-9.2 98.78,81.49 arc(98.77,81.41) 98.72,81.33 R3-9.1
Board_9-Net-(MB1-CLK): length 37.8
  Top w0.229: R2-9.2 97.05,77.58 arc(97.19,77.36) 97.24,77.1 v1(97.24,76.42) ; MB1-9.9 81.11,80.77 arc(81.15,80.96) 81.26,81.12 R1-9.2
  Bottom w0.229: 81.71,79.81 v1(81.11,79.81) ; 81.71,79.81 arc(82.26,79.7) 82.73,79.38 84.1,78.01 arc(85.87,76.83) 87.95,76.42 v1(97.24,76.42) ; 81.71,79.81 arc(82.26,79.91) 82.73,80.23 TP1-9.1
Board_10-GND: length 16
  Top w0.229: MB1-10.16 18.82,48.18 arc(18.76,48.26) 18.74,48.36 C1-10.2 ; D2-10.1 18.73,65.28 arc(18.85,65.45) 18.89,65.66 MB1-10.8 ; MB1-10.2 1.34,63.58 arc(1.32,63.54) 1.31,63.5 D1-10.1
Board_10-Net-(C1-Pad1): length 7.9
  Top w0.229: TP2-10.1 15.53,61.65 arc(15.95,61.37) 16.46,61.27 16.9,61.27 arc(16.94,61.24) 16.93,61.19 arc(16.87,61.11) 16.86,61.02 16.86,59.49 arc(16.87,59.43) 16.9,59.37 arc(16.96,59.34) 17.02,59.33 C1-10.1
Board_10-Net-(D1-A): length 2.2
  Top w0.305: D1-10.2 3.12,63.39 arc(3.07,63.32) 3.05,63.23 R1-10.1
Board_10-Net-(D2-A): length 2.2
  Top w0.229: D2-10.2 18.78,61.49 arc(18.77,61.41) 18.72,61.33 R3-10.1
Board_10-Net-(MB1-CLK): length 37.8
  Top w0.229: v1(17.24,56.42) 17.24,57.1 arc(17.19,57.36) 17.05,57.58 R2-10.2 ; MB1-10.9 1.11,60.77 arc(1.15,60.96) 1.25,61.12 R1-10.2
  Bottom w0.229: v1(17.24,56.42) 7.95,56.42 arc(5.87,56.83) 4.1,58.01 2.73,59.38 arc(2.26,59.7) 1.71,59.81 ; 1.71,59.81 v1(1.11,59.81) ; 1.71,59.81 arc(2.26,59.91) 2.73,60.23 TP1-10.1
Board_11-GND: length 16
  Top w0.229: MB1-11.2 21.34,63.58 arc(21.32,63.54) 21.31,63.5 D1-11.1 ; MB1-11.16 38.82,48.18 arc(38.76,48.26) 38.74,48.36 C1-11.2 ; MB1-11.8 38.89,65.66 arc(38.85,65.45) 38.73,65.28 D2-11.1
Board_11-Net-(C1-Pad1): length 7.9
  Top w0.229: TP2-11.1 35.53,61.65 arc(35.95,61.37) 36.46,61.27 36.9,61.27 arc(36.94,61.24) 36.93,61.19 arc(36.87,61.11) 36.86,61.02 36.86,59.49 arc(36.87,59.43) 36.9,59.37 arc(36.96,59.34) 37.02,59.33 C1-11.1
Board_11-Net-(D1-A): length 2.2
  Top w0.305: R1-11.1 23.05,63.23 arc(23.07,63.32) 23.12,63.39 D1-11.2
Board_11-Net-(D2-A): length 2.2
  Top w0.229: R3-11.1 38.72,61.33 arc(38.77,61.41) 38.78,61.49 D2-11.2
Board_11-Net-(MB1-CLK): length 37.8
  Top w0.229: MB1-11.9 21.11,60.77 arc(21.15,60.96) 21.25,61.12 R1-11.2 ; R2-11.2 37.05,57.58 arc(37.19,57.36) 37.24,57.1 v1(37.24,56.42)
  Bottom w0.229: TP1-11.1 22.73,60.23 arc(22.26,59.91) 21.71,59.81 ; v1(37.24,56.42) 27.95,56.42 arc(25.87,56.83) 24.1,58.01 22.73,59.38 arc(22.26,59.7) 21.71,59.81 ; 21.71,59.81 v1(21.11,59.81)
Board_12-GND: length 16
  Top w0.229: MB1-12.2 41.34,63.58 arc(41.32,63.54) 41.31,63.5 D1-12.1 ; D2-12.1 58.73,65.28 arc(58.85,65.45) 58.89,65.66 MB1-12.8 ; MB1-12.16 58.82,48.18 arc(58.76,48.26) 58.74,48.36 C1-12.2
Board_12-Net-(C1-Pad1): length 7.9
  Top w0.229: TP2-12.1 55.53,61.65 arc(55.95,61.37) 56.46,61.27 56.9,61.27 arc(56.94,61.24) 56.93,61.19 arc(56.87,61.11) 56.86,61.02 56.86,59.49 arc(56.87,59.43) 56.9,59.37 arc(56.96,59.34) 57.02,59.33 C1-12.1
Board_12-Net-(D1-A): length 2.2
  Top w0.305: R1-12.1 43.05,63.23 arc(43.07,63.32) 43.12,63.39 D1-12.2
Board_12-Net-(D2-A): length 2.2
  Top w0.229: R3-12.1 58.72,61.33 arc(58.77,61.41) 58.78,61.49 D2-12.2
Board_12-Net-(MB1-CLK): length 37.8
  Top w0.229: MB1-12.9 41.11,60.77 arc(41.15,60.96) 41.26,61.12 R1-12.2 ; R2-12.2 57.05,57.58 arc(57.19,57.36) 57.24,57.1 v1(57.24,56.42)
  Bottom w0.229: 41.71,59.81 v1(41.11,59.81) ; 41.71,59.81 arc(42.26,59.91) 42.73,60.23 TP1-12.1 ; 41.71,59.81 arc(42.26,59.7) 42.73,59.38 44.1,58.01 arc(45.87,56.83) 47.95,56.42 v1(57.24,56.42)
Board_13-GND: length 16
  Top w0.229: MB1-13.16 78.82,48.18 arc(78.76,48.26) 78.74,48.36 C1-13.2 ; D1-13.1 61.31,63.5 arc(61.32,63.54) 61.34,63.58 MB1-13.2 ; MB1-13.8 78.89,65.66 arc(78.85,65.45) 78.73,65.28 D2-13.1
Board_13-Net-(C1-Pad1): length 7.9
  Top w0.229: TP2-13.1 75.53,61.65 arc(75.95,61.37) 76.46,61.27 76.9,61.27 arc(76.94,61.24) 76.93,61.19 arc(76.87,61.11) 76.86,61.02 76.86,59.49 arc(76.87,59.43) 76.9,59.37 arc(76.96,59.34) 77.02,59.33 C1-13.1
Board_13-Net-(D1-A): length 2.2
  Top w0.305: D1-13.2 63.12,63.39 arc(63.07,63.32) 63.05,63.23 R1-13.1
Board_13-Net-(D2-A): length 2.2
  Top w0.229: D2-13.2 78.78,61.49 arc(78.77,61.41) 78.72,61.33 R3-13.1
Board_13-Net-(MB1-CLK): length 37.8
  Top w0.229: v1(77.24,56.42) 77.24,57.1 arc(77.19,57.36) 77.05,57.58 R2-13.2 ; R1-13.2 61.26,61.12 arc(61.15,60.96) 61.11,60.77 MB1-13.9
  Bottom w0.229: v1(77.24,56.42) 67.95,56.42 arc(65.87,56.83) 64.1,58.01 62.73,59.38 arc(62.26,59.7) 61.71,59.81 ; 61.71,59.81 v1(61.11,59.81) ; 61.71,59.81 arc(62.26,59.91) 62.73,60.23 TP1-13.1
Board_14-GND: length 16
  Top w0.229: D1-14.1 81.31,63.5 arc(81.32,63.54) 81.34,63.58 MB1-14.2 ; MB1-14.16 98.82,48.18 arc(98.76,48.26) 98.74,48.36 C1-14.2 ; D2-14.1 98.73,65.28 arc(98.85,65.45) 98.89,65.66 MB1-14.8
Board_14-Net-(C1-Pad1): length 7.9
  Top w0.229: TP2-14.1 95.53,61.65 arc(95.95,61.37) 96.46,61.27 96.9,61.27 arc(96.94,61.24) 96.93,61.19 arc(96.87,61.11) 96.86,61.02 96.86,59.49 arc(96.87,59.43) 96.9,59.37 arc(96.96,59.34) 97.02,59.33 C1-14.1
Board_14-Net-(D1-A): length 2.2
  Top w0.305: D1-14.2 83.12,63.39 arc(83.07,63.32) 83.05,63.23 R1-14.1
Board_14-Net-(D2-A): length 2.2
  Top w0.229: D2-14.2 98.78,61.49 arc(98.77,61.41) 98.72,61.33 R3-14.1
Board_14-Net-(MB1-CLK): length 37.8
  Top w0.229: v1(97.24,56.42) 97.24,57.1 arc(97.19,57.36) 97.05,57.58 R2-14.2 ; MB1-14.9 81.11,60.77 arc(81.15,60.96) 81.26,61.12 R1-14.2
  Bottom w0.229: 81.71,59.81 v1(81.11,59.81) ; 81.71,59.81 arc(82.26,59.7) 82.73,59.38 84.1,58.01 arc(85.87,56.83) 87.95,56.42 v1(97.24,56.42) ; 81.71,59.81 arc(82.26,59.91) 82.73,60.23 TP1-14.1
Board_15-GND: length 16
  Top w0.229: C1-15.2 18.74,28.36 arc(18.76,28.26) 18.82,28.18 MB1-15.16 ; D1-15.1 1.31,43.5 arc(1.32,43.54) 1.34,43.58 MB1-15.2 ; D2-15.1 18.73,45.28 arc(18.85,45.45) 18.89,45.66 MB1-15.8
Board_15-Net-(C1-Pad1): length 7.9
  Top w0.229: TP2-15.1 15.53,41.65 arc(15.95,41.37) 16.46,41.27 16.9,41.27 arc(16.94,41.24) 16.93,41.19 arc(16.87,41.11) 16.86,41.02 16.86,39.49 arc(16.87,39.43) 16.9,39.37 arc(16.96,39.34) 17.02,39.33 C1-15.1
Board_15-Net-(D1-A): length 2.2
  Top w0.305: R1-15.1 3.05,43.23 arc(3.07,43.32) 3.12,43.39 D1-15.2
Board_15-Net-(D2-A): length 2.2
  Top w0.229: D2-15.2 18.78,41.49 arc(18.77,41.41) 18.72,41.33 R3-15.1
Board_15-Net-(MB1-CLK): length 37.8
  Top w0.229: R1-15.2 1.25,41.12 arc(1.15,40.96) 1.11,40.77 MB1-15.9 ; v1(17.24,36.42) 17.24,37.1 arc(17.19,37.36) 17.05,37.58 R2-15.2
  Bottom w0.229: TP1-15.1 2.73,40.23 arc(2.26,39.91) 1.71,39.81 ; 1.71,39.81 v1(1.11,39.81) ; 1.71,39.81 arc(2.26,39.7) 2.73,39.38 4.1,38.01 arc(5.87,36.83) 7.95,36.42 v1(17.24,36.42)
Board_16-GND: length 16
  Top w0.229: C1-16.2 38.74,28.36 arc(38.76,28.26) 38.82,28.18 MB1-16.16 ; D1-16.1 21.31,43.5 arc(21.32,43.54) 21.34,43.58 MB1-16.2 ; D2-16.1 38.73,45.28 arc(38.85,45.45) 38.89,45.66 MB1-16.8
Board_16-Net-(C1-Pad1): length 7.9
  Top w0.229: C1-16.1 37.02,39.33 arc(36.96,39.34) 36.9,39.37 arc(36.87,39.43) 36.86,39.49 36.86,41.02 arc(36.87,41.11) 36.93,41.19 arc(36.94,41.24) 36.9,41.27 36.46,41.27 arc(35.95,41.37) 35.53,41.65 TP2-16.1
Board_16-Net-(D1-A): length 2.2
  Top w0.305: R1-16.1 23.05,43.23 arc(23.07,43.32) 23.12,43.39 D1-16.2
Board_16-Net-(D2-A): length 2.2
  Top w0.229: R3-16.1 38.72,41.33 arc(38.77,41.41) 38.78,41.49 D2-16.2
Board_16-Net-(MB1-CLK): length 37.8
  Top w0.229: R1-16.2 21.25,41.12 arc(21.15,40.96) 21.11,40.77 MB1-16.9 ; R2-16.2 37.05,37.58 arc(37.19,37.36) 37.24,37.1 v1(37.24,36.42)
  Bottom w0.229: 21.71,39.81 v1(21.11,39.81) ; 21.71,39.81 arc(22.26,39.7) 22.73,39.38 24.1,38.01 arc(25.87,36.83) 27.95,36.42 v1(37.24,36.42) ; 21.71,39.81 arc(22.26,39.91) 22.73,40.23 TP1-16.1
Board_17-GND: length 16
  Top w0.229: MB1-17.16 58.82,28.18 arc(58.76,28.26) 58.74,28.36 C1-17.2 ; MB1-17.2 41.34,43.58 arc(41.32,43.54) 41.31,43.5 D1-17.1 ; D2-17.1 58.73,45.28 arc(58.85,45.45) 58.89,45.66 MB1-17.8
Board_17-Net-(C1-Pad1): length 7.9
  Top w0.229: C1-17.1 57.02,39.33 arc(56.96,39.34) 56.9,39.37 arc(56.87,39.43) 56.86,39.49 56.86,41.02 arc(56.87,41.11) 56.93,41.19 arc(56.94,41.24) 56.9,41.27 56.46,41.27 arc(55.95,41.37) 55.53,41.65 TP2-17.1
Board_17-Net-(D1-A): length 2.2
  Top w0.305: R1-17.1 43.05,43.23 arc(43.07,43.32) 43.12,43.39 D1-17.2
Board_17-Net-(D2-A): length 2.2
  Top w0.229: R3-17.1 58.72,41.33 arc(58.77,41.41) 58.78,41.49 D2-17.2
